# Allegro board 6089-119-RevB_08.brd (continued)
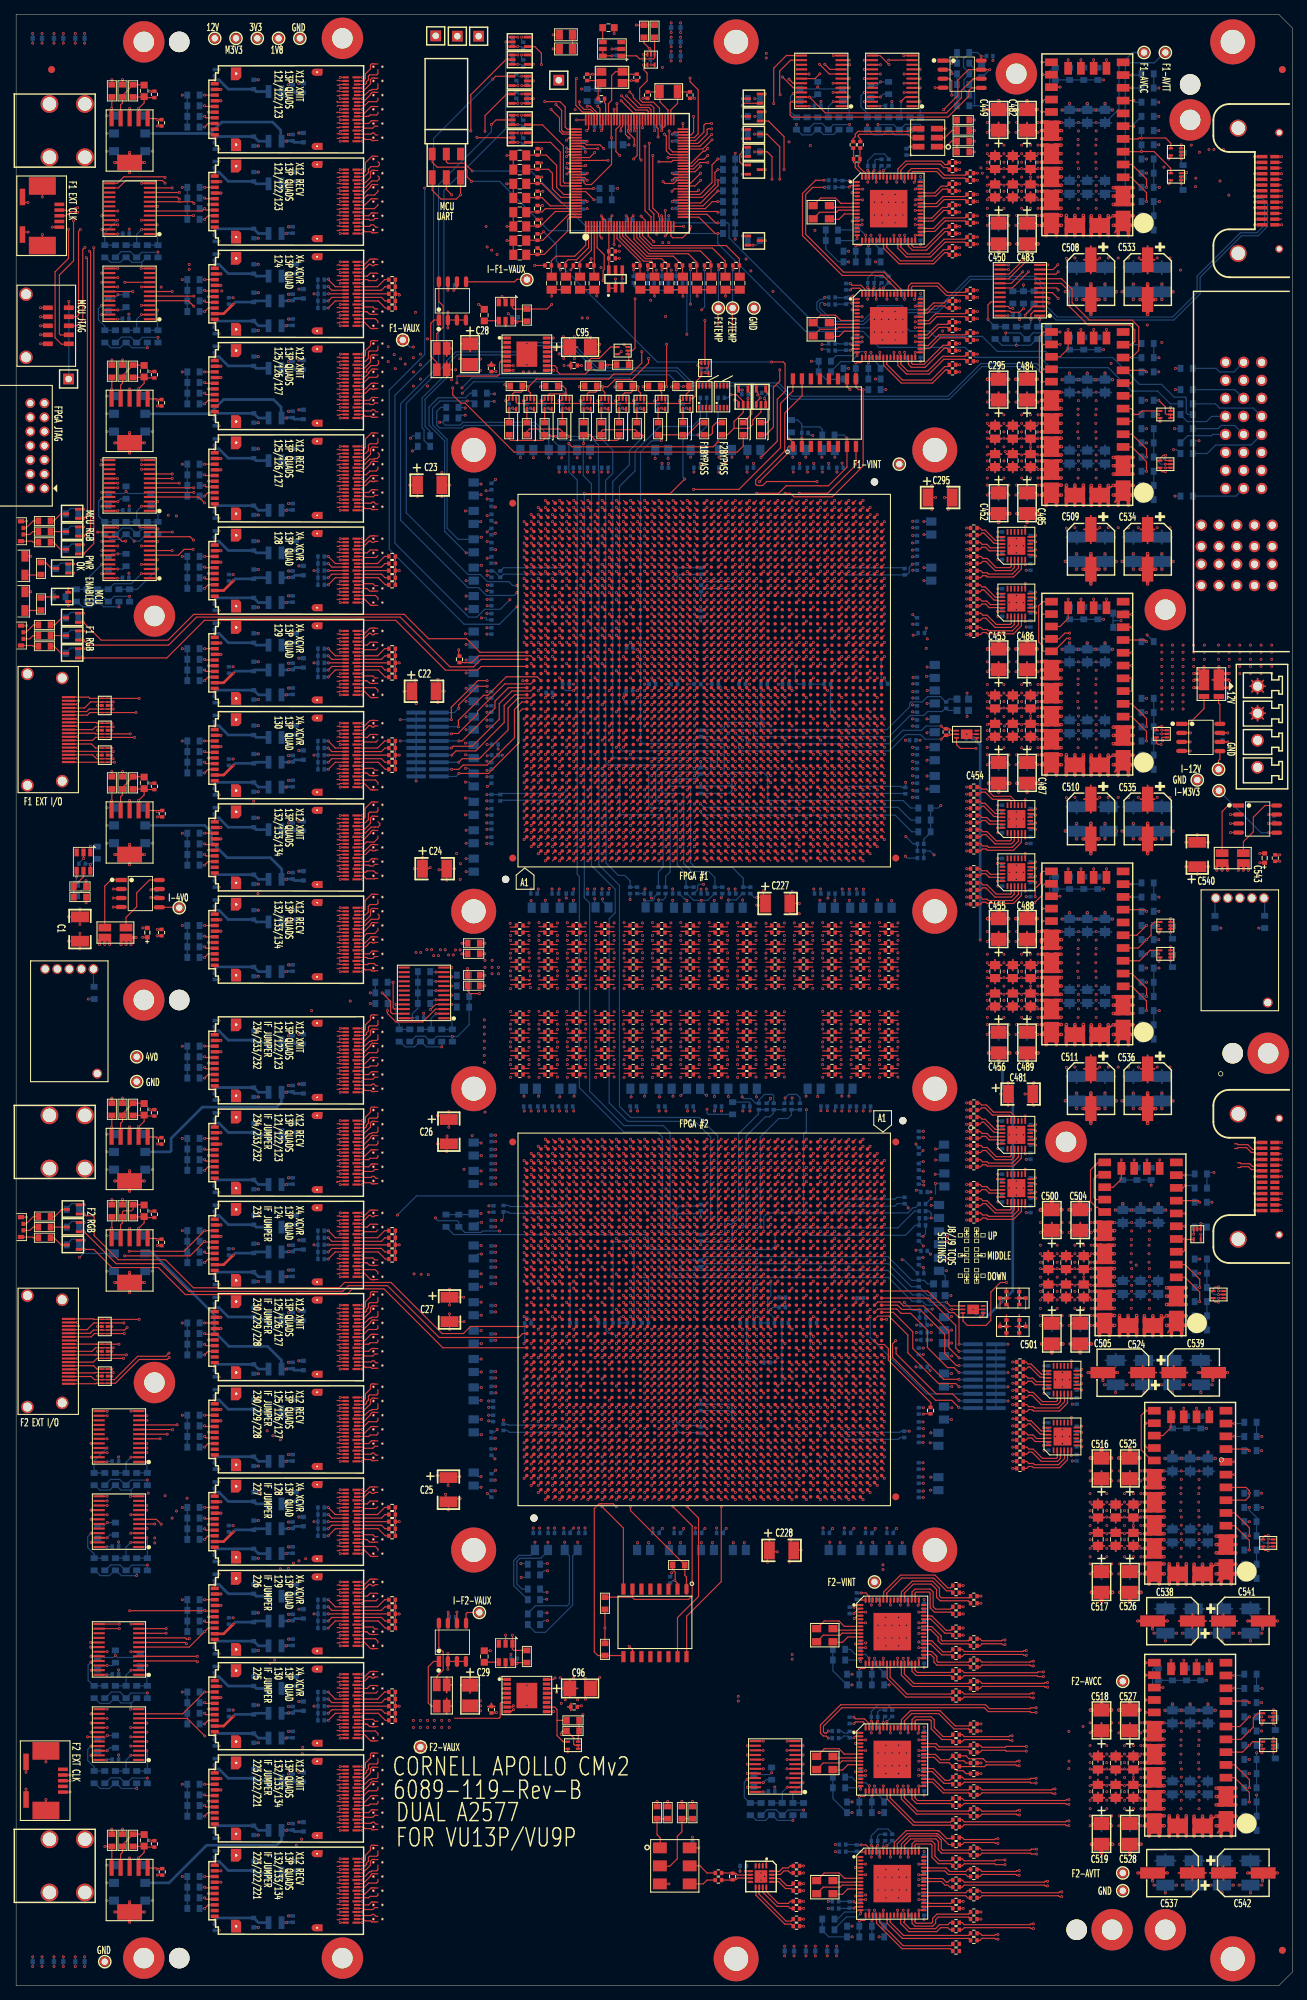
[diagram p0: board, top side]
## Routing (per net, layer and track width the routed paths; a pad name or vN(x,y) marks a point on that pad's centre or on a via; arc(x,y) is an arc through that point) (continued)
; J5.20 2.4,168.35 ; J5.20 2.4,169.96 ; J5.20 1.15,168.11 ; J5.20 2.05,170.2 ; J5.20 1.6,168.08 ; VA31.3 52.05,196.71 ; VA31.3 51.63,196.52 ; VA31.3 51.82,197.31 ; VA31.3 51.96,196.58 ; VA31.3 51.96,197.22 ; VA31.3 51.63,197.28 ; VA31.3 52.02,196.9 ; VA31.3 52.05,197.09 ; 49.95,35.09 VA92.4 ; VA92.4 49.98,34.9 ; VA92.4 50.37,34.52 ; VA92.4 50.37,35.28 ; VA92.4 50.04,35.22 ; VA92.4 50.18,34.49 ; VA92.4 50.04,34.58 ; VA92.4 49.95,34.71 ; 50.37,62.52 VA83.4 ; VA83.4 49.98,62.9 ; VA83.4 49.95,63.09 ; VA83.4 50.04,63.22 ; VA83.4 50.18,62.49 ; VA83.4 50.04,62.58 ; VA83.4 49.95,62.71 ; VA83.4 50.37,63.28 ; 50.04,183.58 VA35.4 ; VA35.4 50.37,184.28 ; VA35.4 50.18,183.49 ; VA35.4 49.98,183.9 ; VA35.4 50.37,183.52 ; VA35.4 50.04,184.22 ; VA35.4 49.95,183.71 ; VA35.4 49.95,184.09 ; 50.37,67.52 VA82.3 ; VA82.3 49.95,68.09 ; VA82.3 50.04,67.58 ; VA82.3 50.04,68.22 ; VA82.3 50.37,68.28 ; VA82.3 49.98,67.9 ; VA82.3 49.95,67.71 ; VA82.3 50.18,67.49 ; 50.18,207.99 VA28.3 ; VA28.3 50.04,208.08 ; VA28.3 49.95,208.21 ; VA28.3 49.98,208.4 ; VA28.3 49.95,208.59 ; VA28.3 50.37,208.02 ; VA28.3 50.04,208.72 ; VA28.3 50.37,208.78 ; 49.95,169.09 VA40.4 ; VA40.4 50.37,168.52 ; VA40.4 50.18,168.49 ; VA40.4 49.95,168.71 ; VA40.4 50.04,169.22 ; VA40.4 50.37,169.28 ; VA40.4 49.98,168.9 ; VA40.4 50.04,168.58 ; 49.98,97.4 VA69.3 ; VA69.3 50.37,97.02 ; VA69.3 50.04,97.08 ; VA69.3 50.18,96.99 ; VA69.3 49.95,97.21 ; VA69.3 50.04,97.72 ; VA69.3 49.95,97.59 ; VA69.3 50.37,97.78 ; VA16.3 52.05,234.09 ; VA16.3 52.02,233.9 ; VA16.3 51.63,234.28 ; VA16.3 51.82,234.31 ; VA16.3 51.96,234.22 ; VA16.3 52.05,233.71 ; VA16.3 51.96,233.58 ; VA16.3 51.63,233.52 ; VA4.4 52.05,264.21 ; VA4.4 52.05,264.59 ; VA4.4 52.02,264.4 ; VA4.4 51.63,264.78 ; VA4.4 51.82,264.81 ; VA4.4 51.96,264.72 ; VA4.4 51.63,264.02 ; VA4.4 51.96,264.08 ; 50.18,152.99 VA47.3 ; VA47.3 50.04,153.72 ; VA47.3 49.98,153.4 ; VA47.3 50.04,153.08 ; VA47.3 50.37,153.78 ; VA47.3 49.95,153.59 ; VA47.3 50.37,153.02 ; VA47.3 49.95,153.21 ; VA26.3 50.37,212.78 ; VA26.3 50.04,212.08 ; VA26.3 49.98,212.4 ; VA26.3 49.95,212.59 ; VA26.3 50.18,211.99 ; VA26.3 49.95,212.21 ; VA26.3 50.37,212.02 ; VA26.3 50.04,212.72 ; 50.37,106.52 VA66.3 ; VA66.3 50.37,107.28 ; VA66.3 49.95,106.71 ; VA66.3 49.98,106.9 ; VA66.3 50.04,107.22 ; VA66.3 50.04,106.58 ; VA66.3 50.18,106.49 ; VA66.3 49.95,107.09 ; 49.95,28.21 VA95.3 ; VA95.3 50.37,28.78 ; VA95.3 50.37,28.02 ; VA95.3 49.95,28.59 ; VA95.3 50.04,28.72 ; VA95.3 49.98,28.4 ; VA95.3 50.04,28.08 ; VA95.3 50.18,27.99 ; VA32.3 51.63,195.28 ; VA32.3 52.05,195.09 ; VA32.3 51.96,194.58 ; VA32.3 51.82,195.31 ; VA32.3 51.96,195.22 ; VA32.3 52.05,194.71 ; VA32.3 51.63,194.52 ; VA32.3 52.02,194.9 ; 50.18,135.99 VA53.3 ; VA53.3 49.95,136.59 ; VA53.3 50.37,136.02 ; VA53.3 49.98,136.4 ; VA53.3 50.04,136.72 ; VA53.3 50.37,136.78 ; VA53.3 50.04,136.08 ; VA53.3 49.95,136.21 ; 50.04,15.08 VA101.3 ; VA101.3 50.37,15.02 ; VA101.3 49.98,15.4 ; VA101.3 50.04,15.72 ; VA101.3 49.95,15.21 ; VA101.3 50.18,14.99 ; VA101.3 49.95,15.59 ; VA101.3 50.37,15.78 ; VA6.4 52.05,260.21 ; VA6.4 52.02,260.4 ; VA6.4 51.63,260.78 ; VA6.4 51.63,260.02 ; VA6.4 51.96,260.08 ; VA6.4 51.82,260.81 ; VA6.4 52.05,260.59 ; VA6.4 51.96,260.72 ; VA50.4 52.02,147.4 ; VA50.4 51.82,147.81 ; VA50.4 51.96,147.72 ; VA50.4 51.63,147.02 ; VA50.4 52.05,147.59 ; VA50.4 51.96,147.08 ; VA50.4 51.63,147.78 ; VA50.4 52.05,147.21 ; 51.63,164.02 VA42.4 ; VA42.4 52.05,164.21 ; VA42.4 52.05,164.59 ; VA42.4 51.82,164.81 ; VA42.4 51.96,164.08 ; VA42.4 51.96,164.72 ; VA42.4 51.63,164.78 ; VA42.4 52.02,164.4 ; 50.18,129.99 VA56.3 ; VA56.3 49.98,130.4 ; VA56.3 50.37,130.78 ; VA56.3 50.04,130.08 ; VA56.3 49.95,130.59 ; VA56.3 49.95,130.21 ; VA56.3 50.37,130.02 ; VA56.3 50.04,130.72 ; VA52.4 51.96,143.72 ; VA52.4 52.05,143.21 ; VA52.4 51.63,143.78 ; VA52.4 52.02,143.4 ; VA52.4 51.63,143.02 ; VA52.4 52.05,143.59 ; VA52.4 51.96,143.08 ; VA52.4 51.82,143.81 ; 50.18,12.99 VA102.3 ; VA102.3 50.04,13.08 ; VA102.3 49.95,13.21 ; VA102.3 50.37,13.02 ; VA102.3 50.04,13.72 ; VA102.3 49.98,13.4 ; VA102.3 50.37,13.78 ; VA102.3 49.95,13.59 ; VA56.4 52.05,130.21 ; VA56.4 51.96,130.72 ; VA56.4 52.05,130.59 ; VA56.4 51.63,130.02 ; VA56.4 51.63,130.78 ; VA56.4 51.96,130.08 ; VA56.4 51.82,130.81 ; VA56.4 52.02,130.4 ; VA3.4 51.82,266.81 ; VA3.4 52.02,266.4 ; VA3.4 52.05,266.59 ; VA3.4 52.05,266.21 ; VA3.4 51.63,266.78 ; VA3.4 51.96,266.72 ; VA3.4 51.63,266.02 ; VA3.4 51.96,266.08 ; VA64.4 51.96,113.72 ; VA64.4 51.63,113.02 ; VA64.4 52.05,113.59 ; VA64.4 51.96,113.08 ; VA64.4 52.05,113.21 ; VA64.4 52.02,113.4 ; VA64.4 51.63,113.78 ; VA64.4 51.82,113.81 ; VA71.4 52.05,93.21 ; VA71.4 52.05,93.59 ; VA71.4 51.96,93.72 ; VA71.4 51.63,93.78 ; VA71.4 51.82,93.81 ; VA71.4 51.63,93.02 ; VA71.4 51.96,93.08 ; VA71.4 52.02,93.4 ; 50.04,11.08 VA103.3 ; VA103.3 50.37,11.78 ; VA103.3 49.98,11.4 ; VA103.3 49.95,11.21 ; VA103.3 50.37,11.02 ; VA103.3 50.04,11.72 ; VA103.3 49.95,11.59 ; VA103.3 50.18,10.99 ; VA18.4 51.63,229.78 ; VA18.4 51.82,229.81 ; VA18.4 51.63,229.02 ; VA18.4 51.96,229.72 ; VA18.4 52.02,229.4 ; VA18.4 51.96,229.08 ; VA18.4 52.05,229.21 ; VA18.4 52.05,229.59 ; VA72.4 51.63,91.78 ; VA72.4 52.02,91.4 ; VA72.4 51.96,91.08 ; VA72.4 51.82,91.81 ; VA72.4 51.63,91.02 ; VA72.4 52.05,91.21 ; VA72.4 51.96,91.72 ; VA72.4 52.05,91.59 ; VA63.4 52.05,115.21 ; VA63.4 52.02,115.4 ; VA63.4 52.05,115.59 ; VA63.4 51.96,115.72 ; VA63.4 51.63,115.02 ; VA63.4 51.63,115.78 ; VA63.4 51.82,115.81 ; VA63.4 51.96,115.08 ; VA96.4 52.05,26.21 ; VA96.4 51.96,26.72 ; VA96.4 51.82,26.81 ; VA96.4 51.63,26.78 ; VA96.4 51.63,26.02 ; VA96.4 52.02,26.4 ; VA96.4 51.96,26.08 ; VA96.4 52.05,26.59 ; 50.18,263.99 VA4.3 ; VA4.3 50.37,264.78 ; VA4.3 49.95,264.59 ; VA4.3 49.98,264.4 ; VA4.3 50.04,264.72 ; VA4.3 50.37,264.02 ; VA4.3 50.04,264.08 ; VA4.3 49.95,264.21 ; VA94.4 51.82,30.81 ; VA94.4 52.02,30.4 ; VA94.4 51.63,30.78 ; VA94.4 51.63,30.02 ; VA94.4 51.96,30.08 ; VA94.4 51.96,30.72 ; VA94.4 52.05,30.21 ; VA94.4 52.05,30.59 ; VA70.4 51.96,95.08 ; VA70.4 51.96,95.72 ; VA70.4 52.05,95.21 ; VA70.4 52.02,95.4 ; VA70.4 52.05,95.59 ; VA70.4 51.63,95.78 ; VA70.4 51.63,95.02 ; VA70.4 51.82,95.81 ; 49.95,102.09 VA67.4 ; VA67.4 50.37,101.52 ; VA67.4 50.37,102.28 ; VA67.4 49.95,101.71 ; VA67.4 49.98,101.9 ; VA67.4 50.04,101.58 ; VA67.4 50.04,102.22 ; VA67.4 50.18,101.49 ; VA101.4 52.05,15.21 ; VA101.4 51.96,15.08 ; VA101.4 51.82,15.81 ; VA101.4 52.02,15.4 ; VA101.4 51.96,15.72 ; VA101.4 52.05,15.59 ; VA101.4 51.63,15.02 ; VA101.4 51.63,15.78 ; 51.63,132.02 VA55.4 ; VA55.4 52.02,132.4 ; VA55.4 51.96,132.72 ; VA55.4 51.63,132.78 ; VA55.4 52.05,132.59 ; VA55.4 52.05,132.21 ; VA55.4 51.96,132.08 ; VA55.4 51.82,132.81 ; VA20.4 52.05,225.21 ; VA20.4 51.96,225.72 ; VA20.4 51.82,225.81 ; VA20.4 52.05,225.59 ; VA20.4 51.63,225.02 ; VA20.4 51.63,225.78 ; VA20.4 51.96,225.08 ; VA20.4 52.02,225.4 ; 17,126.52 PM3.1 ; PM3.1 17,128.28 ; PM3.1 16.33,126.73 ; PM3.1 17.67,126.73 ; PM3.1 16.12,127.4 ; PM3.1 16.33,128.07 ; PM3.1 17.88,127.4 ; PM3.1 17.67,128.07 ; VA75.4 51.63,84.78 ; VA75.4 51.63,84.02 ; VA75.4 51.96,84.72 ; VA75.4 52.02,84.4 ; VA75.4 51.96,84.08 ; VA75.4 52.05,84.21 ; VA75.4 51.82,84.81 ; VA75.4 52.05,84.59 ; VA79.4 51.96,76.08 ; VA79.4 52.05,76.21 ; VA79.4 51.63,76.78 ; VA79.4 52.02,76.4 ; VA79.4 51.96,76.72 ; VA79.4 51.82,76.81 ; VA79.4 51.63,76.02 ; VA79.4 52.05,76.59 ; 51.63,223.02 VA21.4 ; VA21.4 52.05,223.21 ; VA21.4 51.96,223.08 ; VA21.4 51.82,223.81 ; VA21.4 52.02,223.4 ; VA21.4 52.05,223.59 ; VA21.4 51.63,223.78 ; VA21.4 51.96,223.72 ; 50.18,131.99 VA55.3 ; VA55.3 49.98,132.4 ; VA55.3 49.95,132.21 ; VA55.3 49.95,132.59 ; VA55.3 50.37,132.02 ; VA55.3 50.04,132.72 ; VA55.3 50.04,132.08 ; VA55.3 50.37,132.78 ; VA48.4 51.82,151.81 ; VA48.4 51.63,151.02 ; VA48.4 51.96,151.08 ; VA48.4 51.96,151.72 ; VA48.4 52.05,151.59 ; VA48.4 51.63,151.78 ; VA48.4 52.05,151.21 ; VA48.4 52.02,151.4 ; VA23.4 51.63,218.78 ; VA23.4 51.63,218.02 ; VA23.4 52.02,218.4 ; VA23.4 51.96,218.08 ; VA23.4 52.05,218.59 ; VA23.4 51.96,218.72 ; VA23.4 51.82,218.81 ; VA23.4 52.05,218.21 ; VA33.4 52.05,190.71 ; VA33.4 52.05,191.09 ; VA33.4 52.02,190.9 ; VA33.4 51.96,190.58 ; VA33.4 51.82,191.31 ; VA33.4 51.96,191.22 ; VA33.4 51.63,191.28 ; VA33.4 51.63,190.52 ; 51.63,34.52 VA92.3 ; VA92.3 52.02,34.9 ; VA92.3 51.96,34.58 ; VA92.3 51.82,35.31 ; VA92.3 52.05,34.71 ; VA92.3 51.96,35.22 ; VA92.3 52.05,35.09 ; VA92.3 51.63,35.28 ; 50.04,253.72 VA9.3 ; VA9.3 49.98,253.4 ; VA9.3 50.37,253.02 ; VA9.3 50.18,252.99 ; VA9.3 50.04,253.08 ; VA9.3 49.95,253.59 ; VA9.3 50.37,253.78 ; VA9.3 49.95,253.21 ; 50.04,194.58 VA32.4 ; VA32.4 50.18,194.49 ; VA32.4 49.95,195.09 ; VA32.4 50.04,195.22 ; VA32.4 50.37,195.28 ; VA32.4 49.95,194.71 ; VA32.4 50.37,194.52 ; VA32.4 49.98,194.9 ; VA90.3 50.37,42.28 ; VA90.3 49.95,41.71 ; VA90.3 50.04,41.58 ; VA90.3 49.98,41.9 ; VA90.3 50.04,42.22 ; VA90.3 50.37,41.52 ; VA90.3 50.18,41.49 ; VA90.3 49.95,42.09 ; VA26.4 51.96,212.72 ; VA26.4 51.63,212.78 ; VA26.4 51.96,212.08 ; VA26.4 52.05,212.21 ; VA26.4 51.63,212.02 ; VA26.4 52.02,212.4 ; VA26.4 52.05,212.59 ; VA26.4 51.82,212.81 ; 50.18,127.99 VA57.3 ; VA57.3 50.04,128.72 ; VA57.3 49.95,128.59 ; VA57.3 49.95,128.21 ; VA57.3 50.37,128.02 ; VA57.3 50.04,128.08 ; VA57.3 49.98,128.4 ; VA57.3 50.37,128.78 ; VA41.4 51.82,166.81 ; VA41.4 51.63,166.78 ; VA41.4 52.05,166.59 ; VA41.4 51.63,166.02 ; VA41.4 51.96,166.08 ; VA41.4 51.96,166.72 ; VA41.4 52.05,166.21 ; VA41.4 52.02,166.4 ; 50.18,196.49 VA31.4 ; VA31.4 49.98,196.9 ; VA31.4 49.95,196.71 ; VA31.4 50.04,196.58 ; VA31.4 50.37,197.28 ; VA31.4 50.37,196.52 ; VA31.4 50.04,197.22 ; VA31.4 49.95,197.09 ; 50.18,23.99 VA97.3 ; VA97.3 50.37,24.78 ; VA97.3 49.95,24.21 ; VA97.3 49.98,24.4 ; VA97.3 50.37,24.02 ; VA97.3 50.04,24.08 ; VA97.3 49.95,24.59 ; VA97.3 50.04,24.72 ; 50.18,235.49 VA15.4 ; VA15.4 49.95,235.71 ; VA15.4 50.37,236.28 ; VA15.4 50.04,235.58 ; VA15.4 49.98,235.9 ; VA15.4 50.04,236.22 ; VA15.4 50.37,235.52 ; VA15.4 49.95,236.09 ; 50.04,9.08 VA104.3 ; VA104.3 50.37,9.02 ; VA104.3 50.18,8.99 ; VA104.3 49.95,9.59 ; VA104.3 50.04,9.72 ; VA104.3 49.98,9.4 ; VA104.3 49.95,9.21 ; VA104.3 50.37,9.78 ; 50.04,95.08 VA70.3 ; VA70.3 49.95,95.59 ; VA70.3 49.95,95.21 ; VA70.3 49.98,95.4 ; VA70.3 50.18,94.99 ; VA70.3 50.37,95.78 ; VA70.3 50.37,95.02 ; VA70.3 50.04,95.72 ; 50.04,93.08 VA71.3 ; VA71.3 49.95,93.59 ; VA71.3 50.37,93.78 ; VA71.3 50.04,93.72 ; VA71.3 49.95,93.21 ; VA71.3 50.37,93.02 ; VA71.3 50.18,92.99 ; VA71.3 49.98,93.4 ; 50.04,268.08 VA2.3 ; VA2.3 50.37,268.78 ; VA2.3 50.37,268.02 ; VA2.3 50.04,268.72 ; VA2.3 49.95,268.59 ; VA2.3 50.18,267.99 ; VA2.3 49.98,268.4 ; VA2.3 49.95,268.21 ; 49.95,84.21 VA75.3 ; VA75.3 49.95,84.59 ; VA75.3 49.98,84.4 ; VA75.3 50.04,84.72 ; VA75.3 50.37,84.78 ; VA75.3 50.18,83.99 ; VA75.3 50.04,84.08 ; VA75.3 50.37,84.02 ; 49.98,260.4 VA6.3 ; VA6.3 50.37,260.78 ; VA6.3 50.37,260.02 ; VA6.3 49.95,260.59 ; VA6.3 50.04,260.72 ; VA6.3 49.95,260.21 ; VA6.3 50.18,259.99 ; VA6.3 50.04,260.08 ; 50.04,210.72 VA27.3 ; VA27.3 49.95,210.59 ; VA27.3 50.18,209.99 ; VA27.3 49.95,210.21 ; VA27.3 50.37,210.78 ; VA27.3 49.98,210.4 ; VA27.3 50.37,210.02 ; VA27.3 50.04,210.08 ; 50.04,171.22 VA39.4 ; VA39.4 49.95,171.09 ; VA39.4 50.37,170.52 ; VA39.4 49.98,170.9 ; VA39.4 50.37,171.28 ; VA39.4 50.18,170.49 ; VA39.4 49.95,170.71 ; VA39.4 50.04,170.58 ; VA58.4 52.02,126.4 ; VA58.4 52.05,126.59 ; VA58.4 51.96,126.72 ; VA58.4 52.05,126.21 ; VA58.4 51.63,126.02 ; VA58.4 51.96,126.08 ; VA58.4 51.82,126.81 ; VA58.4 51.63,126.78 ; 166.5,169.02 PM24.1 ; PM24.1 165.62,169.9 ; PM24.1 165.83,170.57 ; PM24.1 167.17,170.57 ; PM24.1 165.83,169.23 ; PM24.1 167.38,169.9 ; PM24.1 167.17,169.23 ; PM24.1 166.5,170.78 ; 50.04,247.08 VA12.3 ; VA12.3 49.98,247.4 ; VA12.3 49.95,247.59 ; VA12.3 49.95,247.21 ; VA12.3 50.18,246.99 ; VA12.3 50.04,247.72 ; VA12.3 50.37,247.02 ; VA12.3 50.37,247.78 ; VA59.3 50.37,123.78 ; VA59.3 50.04,123.72 ; VA59.3 50.18,122.99 ; VA59.3 49.95,123.21 ; VA59.3 49.98,123.4 ; VA59.3 50.37,123.02 ; VA59.3 49.95,123.59 ; VA59.3 50.04,123.08 ; VA51.4 51.82,145.81 ; VA51.4 52.05,145.21 ; VA51.4 51.96,145.08 ; VA51.4 51.63,145.02 ; VA51.4 52.05,145.59 ; VA51.4 51.96,145.72 ; VA51.4 51.63,145.78 ; VA51.4 52.02,145.4 ; 49.95,166.59 VA41.3 ; VA41.3 50.37,166.02 ; VA41.3 50.18,165.99 ; VA41.3 49.95,166.21 ; VA41.3 50.04,166.72 ; VA41.3 50.04,166.08 ; VA41.3 49.98,166.4 ; VA41.3 50.37,166.78 ; 49.98,229.4 VA18.3 ; VA18.3 50.18,228.99 ; VA18.3 50.04,229.08 ; VA18.3 50.37,229.78 ; VA18.3 50.37,229.02 ; VA18.3 49.95,229.59 ; VA18.3 50.04,229.72 ; VA18.3 49.95,229.21 ; VA33.3 50.37,191.28 ; VA33.3 49.95,190.71 ; VA33.3 50.04,190.58 ; VA33.3 50.18,190.49 ; VA33.3 49.95,191.09 ; VA33.3 49.98,190.9 ; VA33.3 50.37,190.52 ; VA33.3 50.04,191.22 ; VA54.4 51.63,134.78 ; VA54.4 51.96,134.72 ; VA54.4 52.05,134.21 ; VA54.4 51.96,134.08 ; VA54.4 52.02,134.4 ; VA54.4 51.63,134.02 ; VA54.4 52.05,134.59 ; VA54.4 51.82,134.81 ; 50.37,225.02 VA20.3 ; VA20.3 49.95,225.21 ; VA20.3 50.04,225.72 ; VA20.3 50.04,225.08 ; VA20.3 50.18,224.99 ; VA20.3 49.98,225.4 ; VA20.3 50.37,225.78 ; VA20.3 49.95,225.59 ; 51.63,255.02 VA8.4 ; VA8.4 52.02,255.4 ; VA8.4 52.05,255.59 ; VA8.4 52.05,255.21 ; VA8.4 51.96,255.08 ; VA8.4 51.96,255.72 ; VA8.4 51.63,255.78 ; VA8.4 51.82,255.81 ; VA84.4 50.37,61.28 ; VA84.4 49.95,61.09 ; VA84.4 49.95,60.71 ; VA84.4 50.37,60.52 ; VA84.4 50.04,60.58 ; VA84.4 50.04,61.22 ; VA84.4 49.98,60.9 ; VA84.4 50.18,60.49 ; VA5.4 51.82,262.81 ; VA5.4 51.63,262.78 ; VA5.4 52.02,262.4 ; VA5.4 52.05,262.59 ; VA5.4 51.96,262.72 ; VA5.4 51.96,262.08 ; VA5.4 52.05,262.21 ; VA5.4 51.63,262.02 ; 50.04,17.08 VA100.3 ; VA100.3 49.95,17.59 ; VA100.3 49.98,17.4 ; VA100.3 50.04,17.72 ; VA100.3 50.18,16.99 ; VA100.3 49.95,17.21 ; VA100.3 50.37,17.02 ; VA100.3 50.37,17.78 ; 49.95,227.21 VA19.3 ; VA19.3 49.95,227.59 ; VA19.3 50.04,227.72 ; VA19.3 50.18,226.99 ; VA19.3 50.37,227.78 ; VA19.3 49.98,227.4 ; VA19.3 50.04,227.08 ; VA19.3 50.37,227.02 ; 49.95,177.71 VA37.3 ; VA37.3 50.04,178.22 ; VA37.3 50.37,178.28 ; VA37.3 50.37,177.52 ; VA37.3 49.95,178.09 ; VA37.3 50.18,177.49 ; VA37.3 50.04,177.58 ; VA37.3 49.98,177.9 ; 49.95,181.71 VA36.4 ; VA36.4 50.04,181.58 ; VA36.4 50.04,182.22 ; VA36.4 50.18,181.49 ; VA36.4 50.37,181.52 ; VA36.4 49.98,181.9 ; VA36.4 49.95,182.09 ; VA36.4 50.37,182.28 ; 6.5,81.07 J6.21 ; J6.21 5.69,82.94 ; J6.21 5.69,81.33 ; J6.21 7.31,81.33 ; J6.21 5.43,82.14 ; J6.21 7.31,82.94 ; J6.21 6.5,83.2 ; J6.21 7.57,82.14 ; VA30.4 51.82,202.31 ; VA30.4 51.96,201.58 ; VA30.4 52.05,202.09 ; VA30.4 51.96,202.22 ; VA30.4 52.05,201.71 ; VA30.4 52.02,201.9 ; VA30.4 51.63,202.28 ; VA30.4 51.63,201.52 ; 50.18,88.99 VA73.3 ; VA73.3 49.98,89.4 ; VA73.3 50.04,89.72 ; VA73.3 50.04,89.08 ; VA73.3 50.37,89.02 ; VA73.3 50.37,89.78 ; VA73.3 49.95,89.21 ; VA73.3 49.95,89.59 ; VA97.4 52.05,24.59 ; VA97.4 51.63,24.78 ; VA97.4 51.63,24.02 ; VA97.4 52.02,24.4 ; VA97.4 52.05,24.21 ; VA97.4 51.82,24.81 ; VA97.4 51.96,24.08 ; VA97.4 51.96,24.72 ; VA35.3 51.63,184.28 ; VA35.3 51.82,184.31 ; VA35.3 51.96,183.58 ; VA35.3 51.63,183.52 ; VA35.3 52.02,183.9 ; VA35.3 51.96,184.22 ; VA35.3 52.05,184.09 ; VA35.3 52.05,183.71 ; VA74.4 51.63,87.78 ; VA74.4 51.96,87.08 ; VA74.4 52.05,87.21 ; VA74.4 51.82,87.81 ; VA74.4 52.05,87.59 ; VA74.4 52.02,87.4 ; VA74.4 51.63,87.02 ; VA74.4 51.96,87.72 ; 51.63,175.52 VA38.4 ; VA38.4 51.96,175.58 ; VA38.4 52.05,175.71 ; VA38.4 51.82,176.31 ; VA38.4 51.96,176.22 ; VA38.4 52.02,175.9 ; VA38.4 52.05,176.09 ; VA38.4 51.63,176.28 ; VA11.4 51.63,249.78 ; VA11.4 51.96,249.08 ; VA11.4 52.05,249.59 ; VA11.4 51.96,249.72 ; VA11.4 51.63,249.02 ; VA11.4 51.82,249.81 ; VA11.4 52.02,249.4 ; VA11.4 52.05,249.21 ; 50.04,231.08 VA17.3 ; VA17.3 49.95,231.59 ; VA17.3 50.18,230.99 ; VA17.3 49.95,231.21 ; VA17.3 49.98,231.4 ; VA17.3 50.04,231.72 ; VA17.3 50.37,231.78 ; VA17.3 50.37,231.02 ; J6.23 2.05,98.29 ; J6.23 2.66,97.25 ; J6.23 2.4,98.05 ; J6.23 1.6,98.32 ; J6.23 1.6,96.18 ; J6.23 2.64,97.7 ; J6.23 1.15,96.2 ; J6.23 2.4,96.44 ; 49.95,266.21 VA3.3 ; VA3.3 49.95,266.59 ; VA3.3 50.04,266.72 ; VA3.3 50.18,265.99 ; VA3.3 50.37,266.78 ; VA3.3 49.98,266.4 ; VA3.3 50.04,266.08 ; VA3.3 50.37,266.02 ; 49.95,22.21 VA98.3 ; VA98.3 50.04,22.72 ; VA98.3 50.37,22.02 ; VA98.3 50.37,22.78 ; VA98.3 49.98,22.4 ; VA98.3 50.18,21.99 ; VA98.3 50.04,22.08 ; VA98.3 49.95,22.59 ; 49.95,19.59 VA99.3 ; VA99.3 50.37,19.78 ; VA99.3 50.04,19.72 ; VA99.3 50.18,18.99 ; VA99.3 50.04,19.08 ; VA99.3 50.37,19.02 ; VA99.3 49.95,19.21 ; VA99.3 49.98,19.4 ; 49.95,113.21 VA64.3 ; VA64.3 49.95,113.59 ; VA64.3 50.18,112.99 ; VA64.3 49.98,113.4 ; VA64.3 50.37,113.78 ; VA64.3 50.04,113.08 ; VA64.3 50.37,113.02 ; VA64.3 50.04,113.72 ; VA12.4 51.82,247.81 ; VA12.4 52.05,247.21 ; VA12.4 51.96,247.08 ; VA12.4 51.63,247.78 ; VA12.4 52.05,247.59 ; VA12.4 51.63,247.02 ; VA12.4 52.02,247.4 ; VA12.4 51.96,247.72 ; VA37.4 51.63,178.28 ; VA37.4 51.63,177.52 ; VA37.4 51.96,178.22 ; VA37.4 51.96,177.58 ; VA37.4 51.82,178.31 ; VA37.4 52.05,177.71 ; VA37.4 52.02,177.9 ; VA37.4 52.05,178.09 ; VA15.3 52.02,235.9 ; VA15.3 51.96,235.58 ; VA15.3 51.96,236.22 ; VA15.3 51.63,236.28 ; VA15.3 52.05,236.09 ; VA15.3 52.05,235.71 ; VA15.3 51.63,235.52 ; VA15.3 51.82,236.31 ; 50.18,163.99 VA42.3 ; VA42.3 49.98,164.4 ; VA42.3 50.37,164.78 ; VA42.3 49.95,164.21 ; VA42.3 50.04,164.08 ; VA42.3 50.37,164.02 ; VA42.3 50.04,164.72 ; VA42.3 49.95,164.59 ; VA89.4 51.96,43.58 ; VA89.4 52.05,44.09 ; VA89.4 52.05,43.71 ; VA89.4 52.02,43.9 ; VA89.4 51.63,43.52 ; VA89.4 51.82,44.31 ; VA89.4 51.63,44.28 ; VA89.4 51.96,44.22 ; VA29.4 52.05,204.09 ; VA29.4 51.96,203.58 ; VA29.4 51.63,204.28 ; VA29.4 51.63,203.52 ; VA29.4 51.96,204.22 ; VA29.4 52.02,203.9 ; VA29.4 51.82,204.31 ; VA29.4 52.05,203.71 ; 49.95,134.21 VA54.3 ; VA54.3 49.95,134.59 ; VA54.3 50.04,134.08 ; VA54.3 50.04,134.72 ; VA54.3 50.37,134.02 ; VA54.3 50.37,134.78 ; VA54.3 50.18,133.99 ; VA54.3 49.98,134.4 ; VA65.4 52.05,109.09 ; VA65.4 51.96,108.58 ; VA65.4 51.63,109.28 ; VA65.4 51.82,109.31 ; VA65.4 52.02,108.9 ; VA65.4 52.05,108.71 ; VA65.4 51.96,109.22 ; VA65.4 51.63,108.52